# Allegro board A733_PRO3_AXP318_LPDDR5_FBGA315BALL_32X1_V2_0.brd (continued)
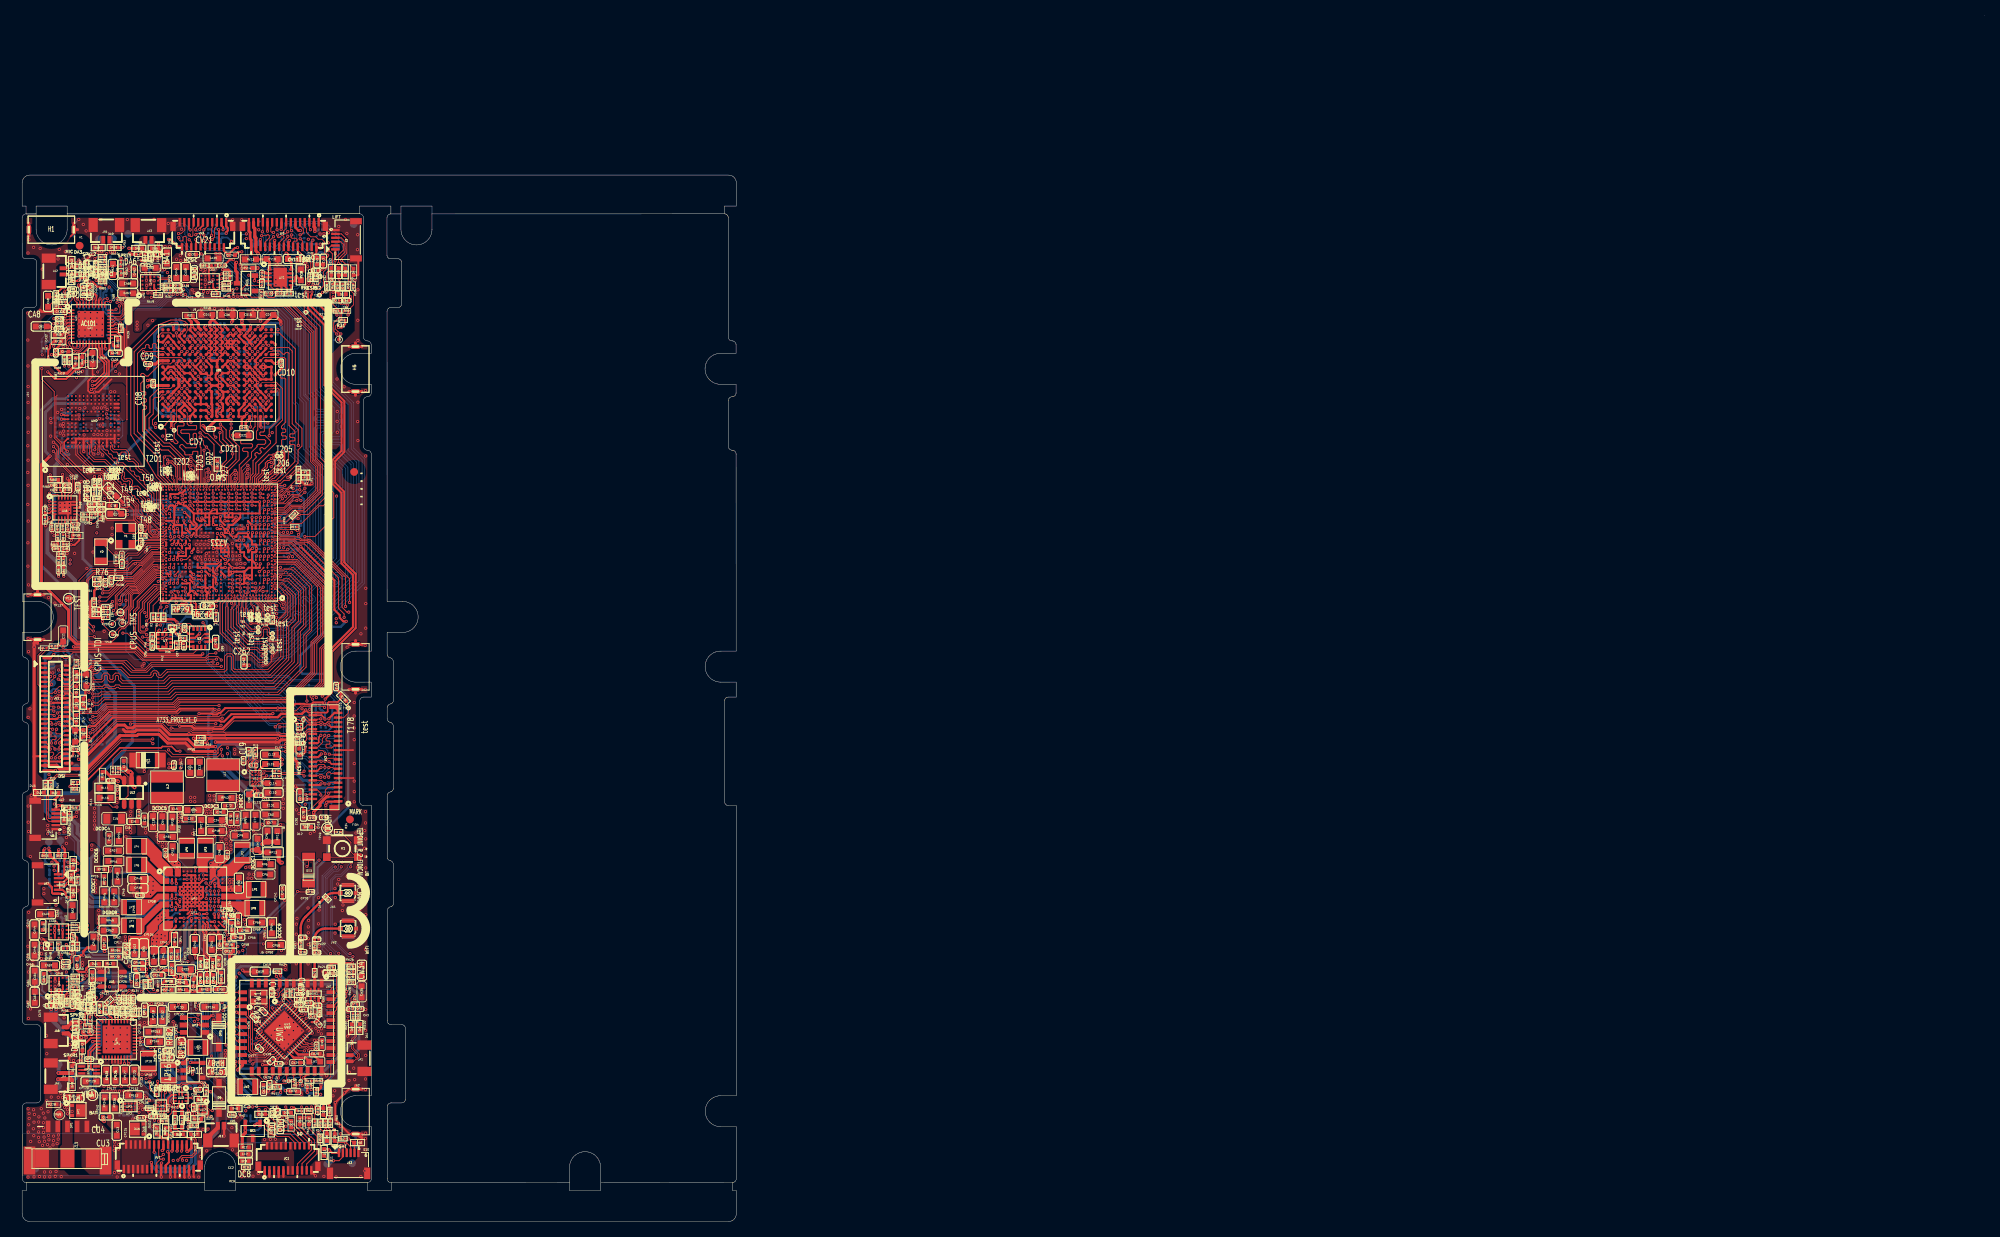
[diagram p0: board, top side]
## Routing (per net, layer and track width the routed paths; a pad name or vN(x,y) marks a point on that pad's centre or on a via; arc(x,y) is an arc through that point) (continued)
ALDO5: length 141.2
  TOP w0.203: v1(12.12,115.82) 12,115.82 11.76,115.58 UA1.25 ; UA1.33 9.86,118.73 9.88,118.74 9.88,118.87 v1(10.04,119.04)
  TOP w0.254: RA59.1 7.37,87.91 6.78,87.31 v1(6.32,87.31) ; v1(19.8,40.53) 19.82,40.51 UP1.L3 ; v1(4.85,109.45) 4.85,109.65 3.36,111.13 3.36,112.45 3.6,112.69 3.6,113.11 4.05,113.56 RA16.1 ; v1(8.96,121.18) 9.13,121.18 9.7,120.61 10.04,120.61 10.21,120.45 v1(10.21,120.44)
  TOP w0.381: RA10.2 6.93,110.56 5.82,109.45 v1(4.85,109.45) ; v1(10.64,34.83) 10.58,34.89 CP17.2
  L3 w0.381: v1(2.5,35.3) 2.03,35.3 1.47,35.86 1.47,39.92 1.78,40.23 1.78,73.25 5.03,76.5 5.03,81.14 3.57,82.6 3.57,85.45 5.43,87.31 v1(6.32,87.31) 6.38,87.37 6.5,87.37 6.52,87.4 6.55,87.4 6.83,87.68 6.83,89.18 5.98,90.02 5.09,90.02 3.71,91.4 3.02,91.4 2.61,91.81 2.61,106.8 4.85,109.03 v1(4.85,109.45)
  L4 w0.254: v1(4.85,109.45) 4.85,114.5 4.88,114.54 4.88,116.83 4.49,117.22 4.49,120.14 5.25,120.9 6.27,120.9 6.78,120.39 8.17,120.39 v1(8.96,121.18)
  BOTTOM w0.254: v1(12.12,115.82) 10.41,117.54 10.41,117.93 10.02,118.32 CA18.2 9.87,118.86 v1(10.04,119.04) 10.04,119.23 10.1,119.29 10.1,120.26 10.21,120.36 v1(10.21,120.44) 10.24,120.48 10.24,120.82 RA14.1 ; v1(19.8,40.53) 19.37,40.1 18.91,40.1 18.76,40.25 17.69,40.25 15.24,37.8 15.24,35.64 14.43,34.83 v1(10.64,34.83) ; v1(8.96,121.18) 8.95,121.18 RA17.2
  BOTTOM w0.305: v1(2.5,35.3) 2.53,35.27 8.88,35.27 9.33,34.83 v1(10.64,34.83)
ALS-INT: length 46.7
  TOP w0.102: v1(19.53,84.34) 19.62,84.44 U1.1H25 ; v1(38.5,64.85) 38.48,64.83 38.12,64.83 38.01,64.72 JV2.36 37.02,64.72 36.63,65.1 33.64,65.1 33.12,64.58 27.29,64.58 25.97,63.26 24.57,63.26 24.52,63.31 22.03,63.31 21.79,63.55 19.58,63.55 19.47,63.66 v1(19.21,63.66)
  L4 w0.102: v1(19.21,63.66) 18.99,63.88 18.99,65.78 19.58,66.37 19.58,76.1 16.2,79.48 16.2,82 18.21,84.01 19.2,84.01 v1(19.53,84.34)
  BOTTOM w0.102: RV12.1 37.88,65.48 RV21.1 38.53,64.88 v1(38.5,64.85)
ANT0: length 2
  TOP w0.305: UW1.5 UW2.2 RW21.1
ANT1: length 4.7
  TOP w0.305: RW18.1 CW16.2 UW2.4
AP-CK32K-OUT: length 111
  TOP w0.076: U1.U36 17.58,86.8 17.48,86.7
  TOP w0.102: v1(9.3,75.45) 8.64,75.45 7.32,76.77 7.32,82.72 8.83,84.23 13.18,84.23 14.24,85.29 15.25,85.29 16.66,86.7 17.48,86.7 ; v1(32.35,16.62) 32.6,16.87 RW37.1 32.59,17.38 RW34.1
  L4 w0.102: v1(9.3,75.45) 9.3,75.01 11.24,73.08 11.24,59.89 8.91,57.57 8.91,51.01 7.38,49.49 7.38,47.42 6.54,46.57 6.54,42.57 6.66,42.44 6.66,35.81 6.83,35.64 6.83,34.16 6.66,34 6.66,27.54 8.07,26.13 9.2,26.13 9.83,25.49 9.83,20.7 10.74,19.79 14.11,19.79 14.75,20.43 18.22,20.43 19.9,22.11 24.01,22.11 24.67,22.78 v1(26.29,22.78)
  BOTTOM w0.102: v1(26.29,22.78) 26.29,22.61 26.68,22.22 26.68,19.72 29.89,16.51 32.24,16.51 v1(32.35,16.62)
AP-NMI: length 102.2
  TOP w0.102: v1(25.35,42.66) 25.32,42.63 UP1.G14
  TOP w0.114: v1(19,86.32) 19.12,86.44 U1.1M26 ; RP5.2 9.11,28.1 RP3.2 9.29,28.42 9.72,28.42 10.27,28.97 v1(10.27,29.09)
  L3 w0.102: v1(22.33,28.21) 22.16,28.03 v1(20.14,28.03)
  L4 w0.102: v1(10.27,29.09) 10.27,29.08 10.3,29.05 10.3,28.98 11.78,27.49 19.13,27.49 19.67,28.03 v1(20.14,28.03)
  L4 w0.114: v1(22.33,28.21) 23.39,29.26 23.39,29.92 24.65,31.18 25.51,31.18 29.22,34.89 29.22,37.83 29.42,38.03 29.42,39.18 25.93,42.66 v1(25.35,42.66) ; v1(19,86.32) 18.42,86.32 13.49,81.39 12.34,81.39 11.23,80.28 11.23,78.33 11.58,77.98 11.58,75.86 12.9,74.54 12.9,58.86 11.11,57.07 11.11,49.83 9.61,48.33 9.61,46.61 9.04,46.04 9.04,41.46 9.79,40.71 10.08,40.71 10.26,40.53 10.26,36.26 9.92,35.92 9.92,33.92 10.9,32.94 10.9,32.44 9.98,31.53 9.98,29.39 v1(10.27,29.09)
  BOTTOM w0.102: C48.1 19.01,86.31 v1(19,86.32)
AP-RESET: length 246.4
  TOP w0.102: v1(23.73,41.68) 23.73,42.08 UP1.G11 ; R52.1 41.1,11.3 v1(41.08,11.31) ; v1(11.24,81.98) 11.5,82.24 C37.1
  TOP w0.114: v1(2.54,110.05) 2.54,110.04 2.54,108.66 4.14,107.07 4.14,101.1 4.92,100.31 4.92,99.15 8.41,95.66 v1(8.41,95.6) ; RP243.2 8.73,26.51 v1(8.93,26.72) ; v1(42.91,121.39) 42.99,121.3 42.99,120.71 42.72,120.43 R28.1 ; U1.1M24 20.21,86.85 20.71,86.34 20.71,86.33 v1(20.73,86.32) ; v1(9.55,28.88) 9.53,28.9 9.53,29.04 9.3,29.27 RP8.2
  L3 w0.114: v1(20.11,26.93) 20.58,27.4 v1(22.45,27.4) ; v1(2.54,110.05) 2.21,110.05 1.61,110.66 1.61,115.96 4.14,118.49 4.14,124.23 8.77,128.87 17.54,128.87 17.87,129.19 26.68,129.19 27.01,128.86 29.55,128.86 29.89,129.19 40.8,129.19 42.74,127.25 42.74,121.55 v1(42.91,121.39)
  L4 w0.102: v1(20.73,86.32) 20.22,86.83 17.47,86.83 12.73,82.09 11.36,82.09 v1(11.24,81.98)
  L4 w0.114: v1(22.45,27.4) 22.15,27.4 21.72,27.84 21.72,28.69 22.59,29.57 22.59,30.15 24.14,31.7 25.27,31.7 26.23,32.65 26.23,34.8 28.47,37.05 28.47,38.03 v1(28.79,38.35) ; v1(8.41,95.6) 9.33,94.68 9.33,89.86 8.76,89.29 8.76,77.9 9.27,77.39 9.43,77.39 10.04,76.77 10.89,76.77 10.97,76.86 ; 10.97,76.86 10.97,77.75 10.5,78.22 10.5,79.46 10.68,79.64 10.68,80.47 11.24,81.03 v1(11.24,81.98) ; 10.97,76.86 10.97,75.63 12.38,74.22 12.38,59.09 10.56,57.28 10.56,50.15 9.48,49.07 8.89,49.07 8.59,48.78 8.59,46.42 8.46,46.29 8.46,39.57 9.17,38.87 9.17,36.55 9.38,36.34 9.38,29.09 9.55,28.93 v1(9.55,28.88) 9.53,28.87 9.53,28.55 11.11,26.98 20.07,26.98 v1(20.11,26.93)
  BOTTOM w0.102: v1(23.73,41.68) 23.82,41.58 23.83,41.58 24.16,41.25 25.87,41.25 26.83,40.29 26.83,39.78 28.03,38.58 28.56,38.58 v1(28.79,38.35)
  BOTTOM w0.114: v1(9.55,28.88) 9.53,28.87 9.53,27.31 v1(8.93,26.72) ; v1(41.08,11.31) 38.98,11.31 37.84,10.17 28.24,10.17 26.3,12.11 26.3,16.14 23.43,19 23.43,23.4 20.11,26.72 v1(20.11,26.93)
AP-UFS-CLKOUT: length 17.2
  TOP w0.114: v1(7.88,97.45) 7.88,97.42 8.62,96.68 10.23,96.68 10.9,96.01 10.9,95.92 14.57,92.25 14.57,90.68 15.02,90.24 16.05,90.24 16.31,89.98 16.31,88.96 16.85,88.41 17.44,88.41 17.82,88.8 U1.AB37
  BOTTOM w0.114: RM36.1 7.88,97.86 v1(7.88,97.45)
AP-WAKE-BT: length 100.1
  TOP w0.076: 15.36,84.32 15.52,84.48 15.54,84.48 16.83,85.76 18.34,85.76 U1.R36
  TOP w0.114: UW2.6 34.11,30.39 33.16,29.44 33.16,29.1 32.98,28.92 32.57,28.92 32.42,28.77 32.42,28.26 32.73,27.95 v1(33.31,27.95) 33.31,27.58 UW3.1 ; 15.36,84.32 14.24,83.19 12.84,83.19 RW38.2 12.67,82.88 11.17,81.38 10.57,81.38 v1(10.36,81.6)
  L3 w0.114: v1(10.36,81.6) 10.23,81.6 8.61,79.98 8.61,74.37 9.48,73.49 9.48,61.22 8.67,60.41 8.67,54.2 8.33,53.86 8.33,47.74 9.83,46.25 9.83,42.26 8.81,41.24 8.81,35.56 12.19,32.18 12.19,30.67 11.32,29.8 11.32,27.68 11.71,27.29 14.87,27.29 16.07,28.48 18.24,28.48 18.6,28.84 23.37,28.84 24.59,27.62 26.58,27.62 27.22,28.26 27.68,28.26 29.91,30.48 31.84,30.48 32.29,30.02 32.29,28.54 32.72,28.11 33.15,28.11 v1(33.31,27.95)
AVCC/VRA1: length 3.5
  TOP w0.203: UA1.8 6.04,114.78 5.89,114.64 5.84,114.64 5.53,114.32 5.53,114.08 5.41,113.96 5.35,113.96 5.07,113.68 RA16.2
  TOP w0.305: RA16.2 4.84,113.32 4.84,113.04 4.34,112.55 CA14.1
BACKUP: length 1.1
  TOP w0.102: T55.1 26.88,40.3 25.95,40.3 UP1.L15
BLDO1: length 113.6
  TOP w0.229: U1.1H11 26.62,84.82 v1(27.12,84.32) 27.15,84.35 U1.1G9 28.08,84.35 v1(28.1,84.38)
  TOP w0.254: v1(26.31,127.51) 26.31,127.65 26.51,127.85 26.51,128.21 26.31,128.41 JV3.1 ; JV2.1 40.68,54.17 39.35,54.17 39.27,54.09 v1(39.26,54.09) ; U1.1G7 28.13,84.35 v1(28.1,84.38) ; v1(36.95,121.06) 37.15,121.25 RV3.1 37.83,121.58 RV2.1
  TOP w0.381: RP22.1 19.12,32.41 18.32,32.41 17.94,32.02 CP24.2 ; v1(24.91,61.86) 32.68,61.86 32.68,61.85 33.1,61.85 33.39,62.14 34.2,62.14 34.5,61.84 34.5,60.23 35.45,59.28 v1(35.45,58.53)
  TOP w0.508: v1(19.81,31.56) 19.78,31.56 19.3,32.04 RP22.1
  L3 w0.254: v1(36.95,121.06) 36.95,122.36 37.41,122.82 37.41,123.79 37.03,124.17 37.03,126.6 v1(36.89,126.73) 36.58,126.73 35.98,126.13 29.64,126.13 29.4,126.38 28.33,126.38 27.24,127.47 26.35,127.47 v1(26.31,127.51)
  L3 w0.381: v1(39.14,53.7) 39.14,53.72 39.12,53.74 39.12,53.93 39.26,54.08 v1(39.26,54.09)
  L3 w0.508: v1(19.81,31.56) 20.68,30.68 22.77,30.68 23.08,30.37 23.95,30.37 24.57,29.75 26,29.75 26.86,30.61 28.16,30.61 32.76,35.21 32.76,36.96 33.25,37.44 33.25,39.94 34.83,41.52 34.83,45.51 39.14,49.82 v1(39.14,53.7)
  L4 w0.381: v1(28.1,84.38) 28.05,84.32 v1(27.12,84.32) 27.09,84.32 26.65,83.89 26.65,80.92 26.03,80.3 26.03,75.16 24.23,73.35 24.23,72.68 24.11,72.57 24.11,63.99 24.91,63.2 v1(24.91,61.86)
  BOTTOM w0.254: C19.1 28.14,84.34 v1(28.1,84.38) 28.05,84.33 C14.1 27.12,84.33 v1(27.12,84.32) 27.11,84.34 C18.1 ; RV23.1 24.36,128.01 24.87,127.5 25.09,127.5 RV22.1 CV25.1 26.25,127.45 v1(26.31,127.51)
  BOTTOM w0.381: RV25.1 40.05,55.94 38.35,55.94 38.3,55.98 RV24.1 37.71,55.98 36.77,56.92 36.21,56.92 35.45,57.68 v1(35.45,58.53)
  vias: v1(38.41,127.41) v1(38.92,127.47)
BLDO2: length 137.2
  TOP w0.254: U1.1N6 29.12,86.93 v1(29.09,86.89) ; v1(32.32,65.54) 32.24,65.45 26.98,65.45 26.03,64.5 25.6,64.5 25.45,64.65 22.26,64.65 22.17,64.75 19.95,64.75 19.72,64.51 19.02,64.51 18.51,65.02 11.68,65.02 8.71,62.05 8.53,62.05 v1(8.47,61.99) ; RL27.2 4.68,74.23 C11.1 5.29,74.12 v1(5.28,74.1) ; v1(29.09,86.89) 29.08,86.89 U1.1N7 ; v1(29.09,86.89) 29.12,86.86 U1.1L6 29.63,86.85 v1(29.69,86.85) ; JL1.18 4.02,66.93 4.01,66.92 v1(3.73,66.92) 3.71,66.93 3.51,66.93 3.21,67.23 JL1.17
  TOP w0.305: CP25.2 14.77,31.76 v1(15,31.99) 14.59,32.4 RP23.1 ; v1(8.58,69.3) 8.43,69.15 CL18.2 8.28,68.58 8.15,68.45 8.15,67.77 7.91,67.53 DL2.2
  L3 w0.254: v1(29.69,86.85) 29.69,86.91 30.03,87.25 32.14,87.25 34.74,84.64 34.74,77.44 33.65,76.35 33.65,71.45 32.49,70.29 32.49,65.71 v1(32.32,65.54) ; v1(8.58,69.3) 8.58,68.85 8.12,68.39 8.12,62.33 v1(8.47,61.99)
  L4 w0.305: v1(5.28,74.1) 4.67,73.49 4.67,72.2 5.34,71.53 5.34,69.91 4.77,69.34 v1(4.77,68.4)
  L4 w0.381: v1(8.47,61.99) 7.99,61.99 5,59 5,55.8 5.95,54.85 5.95,54.23 4.19,52.48 4.19,47.82 3.09,46.72 3.09,44.02 4.55,42.56 4.55,41.93 5.7,40.79 5.7,37.3 5.2,36.8 5.2,35.01 5.53,34.68 5.53,32.36 v1(5.7,32.19)
  BOTTOM w0.254: v1(5.28,74.1) 5.48,73.9 5.58,73.9 5.83,73.64 RL24.2 6.2,73.15 RL26.2 6.45,72.82 6.81,72.46 RL25.2 ; C13.1 29.38,87.18 v1(29.09,86.89) ; v1(29.69,86.85) 29.79,86.95 29.79,87.01 29.99,87.21 C12.1 30.63,87.29 C132.1 ; CL17.1 3.42,66.61 v1(3.73,66.92) 3.65,66.99 3.64,66.99 3.39,67.24 3.39,68.07 3.6,68.29 RL34.1 3.77,68.46 4.02,68.71 4.46,68.71 v1(4.77,68.4) 4.79,68.39 RL36.2 5.73,68.39 6.48,69.13 6.48,69.38 6.81,69.71 7.17,69.71 7.19,69.69 8.19,69.69 v1(8.58,69.3) 8.45,69.18 RL37.2
  BOTTOM w0.305: RL35.1 3.78,66.86 v1(3.73,66.92)
  BOTTOM w0.381: v1(5.7,32.19) 5.7,31.42 6.29,30.83 8.26,30.83 9.5,32.06 14.93,32.06 v1(15,31.99)
BLDO4: length 150.4
  TOP w0.254: RA9.1 7.74,110.39 7.3,109.94 6.93,109.94 6.01,109.03 5.99,109.03 5.67,108.71 4.2,108.71 v1(3.3,109.62) ; v1(22.82,39.11) 22.76,39.17 UP1.N8 ; RA18.1 7.57,120.53 v1(7.27,120.83) ; RA60.1 3.8,95.89 3.62,96.08 v1(3.62,96.34)
  TOP w0.305: v1(11.71,113.41) 11.71,113.05 11.85,112.91 RA15.1 ; CP28.2 25.38,33.98 v1(25,34.35)
  TOP w0.381: v1(8.32,110.97) 8.05,110.97 RA9.1
  L3 w0.381: v1(8.32,110.97) 7.59,110.97 6.03,109.41 6.03,100.32 3.68,97.97 3.68,96.44 3.62,96.37 v1(3.62,96.34) 4.08,96.34 6.95,93.47 6.95,91.28 7.31,90.92 7.31,87.45 6.56,86.7 5.6,86.7 5.29,86.4 4.2,85.31 4.2,82.66 5.51,81.35 5.51,76.29 2.27,73.05 2.27,39.9 1.95,39.58 1.95,36.27 2.31,35.91 v1(2.5,35.91)
  L4 w0.254: v1(7.27,120.83) 7.09,120.83 6.66,121.26 5.1,121.26 4.13,120.29 4.13,117.07 4.53,116.67 4.53,114.69 4.48,114.64 4.48,110.8 v1(3.3,109.62)
  BOTTOM w0.305: v1(25,34.35) 24.98,34.37 23.93,34.37 22.92,35.38 22.92,35.58 22.49,35.58 20.64,33.74 18.23,33.74 16.67,32.18 16.67,32.05 16.17,31.55 15.24,31.55 15.23,31.54 14.6,31.54 14.52,31.62 9.68,31.62 8.44,30.38 6.15,30.38 4.49,28.72 2.92,28.72 2.04,29.6 2.04,35.49 2.33,35.79 2.37,35.79 v1(2.5,35.91)
  BOTTOM w0.381: v1(11.71,113.41) 11.71,113.4 11.71,112.77 9.91,110.97 v1(8.32,110.97) ; 22.92,35.58 22.92,39.01 v1(22.82,39.11)
BLDO5: length 156.3
  TOP w0.178: CW27.2 30.82,22.17 v1(31.2,22.55) 31.26,22.62 31.26,22.78 UW3.16
  TOP w0.254: RW28.2 RW27.2 RW26.2 42.69,33.24 v1(42.57,33.36) ; v1(29.69,88.87) 29.62,88.8 U1.1R5 ; v1(41.78,77.43) 41.41,77.43 40.94,77.9 40.94,78.24 40.26,78.93 40.26,82.74 v1(35.92,87.07)
  TOP w0.305: v1(33.93,16.88) 34.47,16.88 CW22.2 ; RW25.2 36.77,17.3 36.75,17.28 v1(36.75,16.65) ; v1(42.57,33.36) 42.52,33.32 39.89,33.32 39.61,33.05 RW29.2 ; v1(33.31,31.69) 33.31,31.84 33.18,31.97 RW24.2
  TOP w0.381: UW2.22 28.42,20.18 v1(27.79,19.56)
  L3 w0.305: v1(42.92,30.35) 42.55,30.73 42.55,33.35 v1(42.57,33.36)
  L3 w0.406: v1(22.5,32.25) 23.46,31.28 26.24,31.28 26.48,31.52 27.58,31.52 v1(27.6,31.55)
  L4 w0.254: v1(29.69,88.87) 29.69,88.89 30.27,89.47 32.56,89.47 33.59,88.44 34.46,88.44 35.83,87.07 v1(35.92,87.07)
  BOTTOM w0.254: v1(29.69,88.87) 29.63,88.81 C15.1 29.96,88.39 29.96,88.39 C260.1 ; RW12.2 33.75,87.44 RW10.2 34.22,88.05 RW11.2 RW13.2 35.24,87.82 35.5,87.55 35.5,87.49 v1(35.92,87.07) 35.48,86.63 RW14.2 35.33,86.73 34.92,86.73 34.41,86.22 34.09,86.22 ; v1(27.6,31.55) 27.54,31.48 RW15.2
  BOTTOM w0.305: v1(27.79,19.56) 27.96,19.72 29.89,19.72 30.24,20.07 30.24,21.59 v1(31.2,22.55) ; v1(42.57,33.36) 42.5,33.3 38.26,33.3 37.57,33.98 37.57,41.84 38.09,42.36 38.09,45.68 39.35,46.95 39.35,50.73 42.02,53.4 42.02,67.69 39.06,70.65 36.16,70.65 35.89,70.93 35.89,73.04 39.58,76.73 41.07,76.73 v1(41.78,77.43)
  BOTTOM w0.381: 33.34,31.69 v1(33.31,31.69) ; 33.34,31.69 33.92,31.11 42.17,31.11 v1(42.92,30.35) 43.23,30.35 43.85,29.73 43.85,27.92 43.42,27.48 43.42,22.24 39.02,17.84 39.02,17.43 38.73,17.14 38.32,17.14 37.71,16.53 36.86,16.53 v1(36.75,16.65) 36.33,17.07 34.17,17.07 33.98,16.88 v1(33.93,16.88) 33.41,17.39 29.96,17.39 v1(27.79,19.56) ; 33.34,31.69 33.34,31.76 32.92,32.18 30.19,32.18 29.45,32.93 28.17,32.93 27.49,32.25 27.49,31.66 v1(27.6,31.55)
BLDO-INPUT: length 1.6
  TOP w0.305: RP28.2 18.3,30.97 18.04,30.71 v1(18.04,30.47)
  TOP w0.381: CP22.2 21.76,32.18 21.61,32.03 21.61,31.84 v1(21.56,31.8)
  vias: v1(13.88,32.93)
BOARD-ID-SEL-ADC: length 6.4
  TOP w0.102: R8.2 16.89,79.48 v1(17.74,80.34)
  TOP w0.114: v1(19,82.35) 19,82.37 19.12,82.49 U1.1D26
  L4 w0.102: v1(19,82.35) 17.74,81.09 v1(17.74,80.34)
  BOTTOM w0.102: R10.1 18.62,81.97 v1(19,82.35)
BOARD-ID-SEL-GPIO: length 4.4
  TOP w0.102: R3.2 36.27,96.01 R4.2 34.7,95.08 34.68,95.08 34.2,94.6 33.68,94.6 33.63,94.64 32.82,94.64 U1.AT1
BOOST-5V-EN: length 75.2
  TOP w0.114: v1(19,84.35) 19,84.37 19.12,84.49 U1.1H26
  L4 w0.102: v1(19,84.35) 18.14,84.35 14.31,80.52 13.29,80.52 13.05,80.27 13.05,79.96 14.9,78.1 14.9,77.82 14.98,77.75 14.98,65.18 15.27,64.89 15.27,63.53 14.73,62.99 14.73,60.66 15.1,60.3 15.1,57.45 14.54,56.9 14.18,56.9 13.65,56.37 13.65,53.01 12.98,52.35 12.98,49.08 12.34,48.44 12.34,40.75 11.92,40.33 11.92,37.57 12.42,37.07 12.42,30.33 12.81,29.94 12.81,29.76 12.66,29.61 12.66,29.32 12.85,29.13 12.85,28.93 13,28.78 20.43,28.78 20.76,28.44 20.76,27.07 21.68,26.15 22.09,26.15 22.22,26.02 v1(22.22,25.82)
  BOTTOM w0.114: v1(22.22,25.82) 22.01,25.82 21.77,26.06 RP258.2
BOOT-SEL-ADC: length 6.4
  TOP w0.102: v1(18.66,79.35) 18.23,78.92 R5.2 ; v1(20.02,82.37) 20.12,82.48 U1.1D24
  L4 w0.102: v1(18.66,79.35) 18.45,79.55 18.45,81.05 19.42,82.02 19.65,82.02 19.99,82.37 v1(20.02,82.37)
  BOTTOM w0.102: v1(18.66,79.35) 18.63,79.32 R9.1
BT-PCM-CLK: length 93.2
  TOP w0.076: 33.13,87.8 32.94,88 U1.Y2
  TOP w0.102: 35.11,87.64 34.95,87.8 33.13,87.8 ; UW3.30 36.01,22.61 36.65,22.61 36.89,22.38 37.07,22.38 37.09,22.36 37.26,22.36 v1(37.41,22.21)
  TOP w0.114: v1(32.1,18.47) 32.31,18.67 UW2.26 ; v1(41.51,77.94) 41.51,78.39 40.78,79.12 40.78,83.05 36.41,87.41 35.34,87.41 35.11,87.64
  L3 w0.114: v1(41.51,77.94) 41.4,77.82 41.4,76.96 38.32,73.88 38.32,69.85 40.72,67.45 40.72,67.37 40.75,67.34 40.75,49.41 40.72,49.38 40.72,49.3 38.95,47.53 38.95,46.32 38.04,45.41 38.04,42.85 34.97,39.78 34.97,27.86 31.31,24.2 31.31,23.85 32.31,22.86 32.31,20.8 32.05,20.55 32.05,18.52 v1(32.1,18.47)
  BOTTOM w0.114: v1(37.41,22.21) 37.41,21.06 35.36,19.01 34.07,19.01 33.19,18.13 32.9,18.13 32.52,18.5 32.14,18.5 v1(32.1,18.47)
BT-PCM-DIN: length 92.9
  TOP w0.102: U1.AB1 32.91,88.8 33.37,88.34 35.47,88.34 35.49,88.31 35.7,88.31 35.86,88.15 ; v1(36.93,22.02) 36.55,22.39 35.73,22.39 UW3.29
  TOP w0.114: v1(33.04,18.52) 33.04,18.66 33.21,18.82 UW2.27 ; v1(42.22,79.88) 42.22,82.93 37.18,87.96 36.95,87.96 36.88,88.04 35.98,88.04 35.86,88.15
  L3 w0.114: v1(39.77,34.56) 39.42,34.2 39.42,22.99 35.35,18.92 33.93,18.92 33.52,18.52 v1(33.04,18.52) ; v1(40.37,45.73) 40.16,45.94 40.16,48.15 41.14,49.12 41.14,67.63 38.74,70.02 38.74,73.71 42.15,77.12 42.15,77.96 41.75,78.36 41.75,78.83 42.21,79.3 42.21,79.87 v1(42.22,79.88)
  BOTTOM w0.114: v1(39.77,34.56) 38.88,35.45 38.88,44.48 40.13,45.73 v1(40.37,45.73) ; v1(33.04,18.52) 33.04,18.66 33.84,19.46 34.36,19.46 v1(36.93,22.02)
BT-PCM-DOUT: length 92.3
  TOP w0.102: 35.75,87.97 35.34,87.97 35.15,88.16 33.29,88.16 33.05,88.4 U1.AA1 ; v1(31.41,18.45) 31.41,18.46 UW2.25 ; UW3.28 35.61,22.02 v1(36.4,22.02)
  TOP w0.114: 35.75,87.97 35.87,87.85 36.79,87.85 36.86,87.77 37,87.77 37.03,87.74 37.09,87.74 41.69,83.15 v1(41.69,79.36)
  L3 w0.114: v1(41.69,79.36) 40.98,78.65 40.98,77.13 37.9,74.05 37.9,69.67 40.38,67.19 40.38,49.56 37.6,46.77 37.6,43 34.5,39.91 34.5,28.05 30.86,24.41 30.86,23.71 31.89,22.68 31.89,20.98 31.63,20.72 31.63,18.67 v1(31.41,18.45)
  BOTTOM w0.114: v1(31.41,18.45) 31.41,19.1 32.14,19.82 34.21,19.82 v1(36.4,22.02)
BT-PCM-SYNC: length 94.9
  TOP w0.076: U1.AA2 32.41,88.16 33.03,88.16
  TOP w0.102: 35.82,87.64 35.41,87.64 35.07,87.98 33.21,87.98 33.03,88.16
  TOP w0.114: v1(42.11,78.62) 41.87,78.62 41.25,79.25 41.25,83.27 36.97,87.55 36.94,87.55 36.92,87.58 36.78,87.58 36.71,87.64 35.82,87.64 ; UW2.28 34.11,18.34 33.92,18.15 v1(33.73,18.15) ; v1(37.38,22.92) 36.95,22.92 36.83,23.04 36.56,23.04 36.17,23.43 UW3.32
  L3 w0.114: v1(39.8,34) 39.69,33.89 39.69,22.88 35.42,18.61 34.18,18.61 v1(33.73,18.15) ; v1(42.11,78.62) 42.56,78.18 42.56,77.21 38.95,73.6 38.95,70.11 41.35,67.72 41.35,49.03 40.52,48.2 v1(40.52,46.39)
  BOTTOM w0.114: v1(40.52,46.39) 40.47,46.39 38.67,44.59 38.67,35.13 v1(39.8,34) ; v1(33.73,18.15) 33.92,18.15 34.36,18.59 35.72,18.59 37.93,20.81 37.93,22.37 v1(37.38,22.92)
BT-RESETN: length 121.4
  TOP w0.076: U1.P36 16.93,85.6 15.46,84.13
  TOP w0.102: RW62.2 37.28,18.15 RW4.2 RW25.1 37.27,17.08 37.27,17.08 v1(37.27,17.03)
  TOP w0.114: 15.46,84.13 14.31,82.98 13.15,82.98 11.26,81.09 v1(10.36,81.09) ; v1(33.55,29.25) 34,29.7 RW61.1 RW60.1
  L3 w0.114: v1(26.94,28.76) 26.02,27.84 24.67,27.84 23.46,29.05 18.51,29.05 18.15,28.69 15.98,28.69 15.13,27.84 15.08,27.84 14.73,27.5 11.8,27.5 11.53,27.76 11.53,29.59 12.5,30.55 12.5,32.28 9.03,35.74 9.03,41.14 10.2,42.31 10.2,46.22 8.55,47.87 8.55,53.77 8.89,54.12 8.89,60.32 9.7,61.12 9.7,73.62 8.82,74.49 8.82,79.89 10.02,81.09 v1(10.36,81.09)
  BOTTOM w0.114: v1(37.27,17.03) 37.27,18.25 42.53,23.51 42.53,28.19 42.25,28.47 42.25,29.78 41.82,30.21 40.5,30.21 40.25,29.96 37.38,29.96 36.9,29.48 33.78,29.48 v1(33.55,29.25) 33.55,29.99 32.89,30.64 28.26,30.64 26.94,29.32 v1(26.94,28.76)
BT-UART-CTS: length 86.6
  TOP w0.102: U1.V1 32.81,87.44 34.67,87.44 35.35,86.76
  TOP w0.114: UW3.12 30.7,24.18 30.93,24.42 30.93,24.7 30.71,24.92 30.64,24.92 v1(30.17,25.39) ; v1(37.5,67.89) 37.5,68.09 38.82,69.42 38.82,73.79 39.56,74.52 39.56,82.55 35.35,86.76 ; UW2.44 39.8,29.96 40.11,30.27 CW33.2 40.11,32.01 RW29.1 40.55,32.33 40.55,29.87 v1(40.74,29.69)
  L4 w0.114: v1(37.5,67.89) 37.43,67.89 37.07,67.54 37.07,67.31 37.08,67.3 37.08,67.2 37.65,66.62 37.65,53.21 38.91,51.95 38.91,33.32 39.91,32.31 39.91,30.52 v1(40.74,29.69)
  BOTTOM w0.114: v1(40.74,29.69) 40.79,29.69 41.12,29.36 41.12,28.98 40.91,28.78 40.36,28.78 39.88,29.26 RW32.2 37.81,29.26 36.97,28.41 34.69,28.41 33.43,27.15 32.51,27.15 30.74,25.39 v1(30.17,25.39)
BT-UART-RTS: length 86.9
  TOP w0.076: U1.W2 32.41,87.84 32.83,87.84 33.05,87.62 33.49,87.62
  TOP w0.102: 35.48,86.91 34.76,87.62 33.49,87.62
  TOP w0.114: v1(30.21,23.66) 30.24,23.62 30.62,23.62 UW3.13 ; 35.48,86.91 35.51,86.91 39.74,82.68 39.75,82.68 39.86,82.56 39.86,74.51 39.04,73.69 39.04,69.33 37.86,68.15 37.86,67.66 v1(37.92,67.6) ; RW28.1 RW31.2 41.83,30.5 41.83,29.7 v1(41.82,29.69) 41.86,29.65 41.86,28.98 40.53,27.66 40.53,27.33 40.08,26.87 UW2.41
  L4 w0.114: v1(41.82,29.69) 41.07,30.44 41.07,32.07 39.34,33.8 39.34,52.24 38.14,53.44 38.14,66.76 37.84,67.06 37.84,67.29 37.94,67.39 37.94,67.58 v1(37.92,67.6)
  BOTTOM w0.114: v1(41.82,29.69) 41.86,29.65 41.86,29.05 41.13,28.32 39.94,28.32 39.34,27.72 34.69,27.72 33.25,26.28 32.49,26.28 30.21,24 v1(30.21,23.66)
BT-UART-RX: length 80
  TOP w0.102: 35.12,86.16 34.92,86.36 32.62,86.36 U1.T1
  TOP w0.114: v1(32.25,27.57) 32.25,27.36 UW3.3 ; UW2.43 40.23,28.67 v1(40.74,29.18) 40.77,29.18 41.16,29.57 41.16,31.89 RW26.1 ; 35.12,86.16 39.12,82.16 39.12,74.71 38.38,73.97 38.38,69.61 36.69,67.92 36.69,67.18 v1(36.72,67.15)
  L4 w0.114: v1(40.74,29.18) 40.6,29.32 40.59,29.32 40.45,29.46 40.43,29.46 39.49,30.41 39.49,32.33 38.69,33.12 38.69,51.05 37.22,52.53 37.22,52.58 37.21,52.59 37.21,52.9 37.44,53.12 37.44,66.43 v1(36.72,67.15)
  BOTTOM w0.114: v1(32.25,27.57) 33.44,27.57 35.11,29.24 37.07,29.24 37.47,29.64 40.27,29.64 40.59,29.33 40.59,29.33 v1(40.74,29.18)
BT-UART-TX: length 84.8
  TOP w0.076: 33.88,87.26 32.98,87.26 32.69,86.96 32.41,86.96 U1.V2
  TOP w0.102: 35.01,86.55 34.3,87.26 33.88,87.26
  TOP w0.114: v1(37.43,67.39) 37.13,67.69 37.13,68.05 38.6,69.51 38.6,73.87 39.34,74.62 39.34,82.25 35.04,86.55 35.01,86.55 ; v1(30.07,24.79) 30.43,24.43 UW3.11 ; RW27.1 41.42,31.47 41.42,29.35 v1(41.5,29.28) 41.5,29.19 40.08,27.77 UW2.42
  L4 w0.114: v1(37.43,67.39) 37.43,67.16 37.92,66.67 37.92,53.35 39.13,52.14 39.13,33.53 40.64,32.02 40.64,30.3 41.5,29.44 v1(41.5,29.28)
  BOTTOM w0.114: v1(30.07,24.79) 30.59,24.79 32.51,26.71 33.36,26.71 34.64,27.99 39.12,27.99 39.68,28.55 41.05,28.55 41.55,29.04 41.55,29.22 v1(41.5,29.28)
BT-WAKE-AP: length 91
  TOP w0.114: v1(9.93,80.03) 10.83,80.03 13.34,82.54 14.4,82.54 15.71,83.86 15.71,83.88 17.03,85.2 U1.N37 ; v1(32.99,29.86) 33.21,30.08 UW2.7 33.21,31.2 v1(32.77,31.63) 32.68,31.73 RW24.1 ; v1(32.84,28.51) 33.03,28.32 33.58,28.32 33.94,27.95 UW3.48
  L3 w0.114: v1(9.93,80.03) 9.68,79.79 9.68,77.4 10.12,76.97 10.12,60.93 9.34,60.15 9.34,53.97 8.97,53.6 8.97,49.42 10.62,47.77 10.62,42.12 9.45,40.95 9.45,36.29 9.68,36.06 10.51,36.06 13.21,33.35 13.21,30.94 13.92,30.24 14.55,30.24 14.8,29.98 14.8,29.78 15.59,28.99 18.08,28.99 18.21,29.13 18.27,29.13 18.42,29.27 23.72,29.27 24.01,28.98 26.65,28.98 26.79,29.12 27.09,29.12 27.23,28.98 28.01,28.98 29.73,30.71 31.85,30.71 v1(32.77,31.63)
  BOTTOM w0.114: v1(32.84,28.51) 32.84,28.65 33.12,28.94 33.12,29.45 32.99,29.58 v1(32.99,29.86)
CC1: length 32.3
  TOP w0.203: RP259.2 CP138.2 17.11,13.13 17.06,13.08 v1(17.06,13.07) ; v1(11.9,27.91) 12.17,27.64 RP266.1
  TOP w0.254: DU11.2 18.83,11.26 v1(19.09,10.99) ; JU1.19 18.51,7.24 18.92,7.65 18.92,8.84 v1(18.75,9)
  BOTTOM w0.203: v1(11.9,27.91) 11.9,27.24 10.2,25.55 10.2,22.73 9.52,22.05 9.52,16.42 9.68,16.25 15.16,16.25 16.32,15.09 16.32,14.7 16.8,14.22 16.8,13.33 v1(17.06,13.07) 17.06,12.71 18.78,10.99 v1(19.09,10.99)
  BOTTOM w0.254: v1(19.09,10.99) 18.88,10.78 18.88,9.13 v1(18.75,9)
CC1-AXP515: length 1.2
  TOP w0.203: UP4.25 12.38,26.76 RP266.2
CC2: length 30
  TOP w0.203: RP265.1 11.48,27.53 11.48,28.07 11.83,28.42 v1(11.99,28.42)
  TOP w0.254: v1(16.38,14.06) 16.18,14.26 RP261.2 ; JU1.20 18.81,10.5 18.58,10.73 18,10.73 17.84,10.9 v1(17.83,10.9) 17.48,11.24 DU12.2
  BOTTOM w0.203: v1(17.83,10.9) 17.8,10.87 17.62,10.87 16.43,12.07 16.43,12.61 ; 16.43,12.61 CP139.2 16.43,12.64 ; 16.43,12.61 16.43,12.64 ; 16.43,12.64 16.43,13.82 16.38,13.87 v1(16.38,14.06) 16.38,14.07 15.99,14.45 15.99,14.97 15.02,15.95 9.56,15.95 9.21,16.29 9.21,22.2 9.9,22.88 9.9,25.7 11.48,27.28 11.48,28.22 11.68,28.42 v1(11.99,28.42)
CC2-AXP515: length 1.3
  TOP w0.203: RP265.2 11.98,26.53 UP4.26
CC-INT: length 93.5
  TOP w0.076: U1.N36 18.34,85.44 17.64,85.44 17.59,85.38 16.97,85.38 15.53,83.94 15.53,83.93 ; UP5.B2 17.94,14.98 17.74,15.19 17.74,15.6
  TOP w0.102: v1(10.01,80.57) 11.04,80.57 13.23,82.75 14.35,82.75 15.53,83.93 ; 17.74,15.6 17.34,16.01 RP263.2
  TOP w0.114: v1(16.43,18.07) 16.43,17.14 17.12,16.45 RP263.2
  L3 w0.102: v1(11.95,28.94) 11.99,28.94 12.87,29.82 12.87,33.32 10.4,35.79 9.5,35.79 9.24,36.06 9.24,41.04 10.41,42.22 10.41,47.68 9,49.09 9,49.1 8.76,49.33 8.76,53.69 9.1,54.03 9.1,60.22 9.91,61.02 9.91,76.85 9.47,77.29 9.47,80.08 9.94,80.56 10,80.56 v1(10.01,80.57)
  L4 w0.102: v1(16.43,18.07) 16.42,18.08 16.17,18.08 15.87,17.77 14.7,17.77 14.15,18.32 10.54,18.32 7.15,21.72 7.15,24.65 v1(7.59,25.09)
  BOTTOM w0.102: v1(11.95,28.94) 11.77,28.94 11.18,28.35 11.18,27.45 9.63,25.9 9.63,24.32 9.43,24.12 8.56,24.12 v1(7.59,25.09)
CC-SCK: length 3.5
  TOP w0.114: UP5.B3 17.94,15.75 17.95,15.76 17.95,16.75 17.99,16.8 v1(17.99,16.87) 17.97,16.9 RP303.2
  BOTTOM w0.114: RP271.2 17.71,16.59 v1(17.99,16.87) 17.92,16.94 RP301.2
CC-SDA: length 4.7
  TOP w0.114: RP304.2 18.47,16.68 v1(18.47,16.62) 18.34,16.49 UP5.C3
  BOTTOM w0.114: RP272.2 18.31,16.46 v1(18.47,16.62) 18.53,16.68 18.53,17.07 18.05,17.55 RP302.2
CK-SEL0: length 13.2
  TOP w0.102: v1(19.51,85.4) 19.62,85.52 U1.1K25 ; R21.2 11.01,78.62 R22.2 11,78.66 C84.1 11.48,79.27 v1(11.66,79.45)
  L4 w0.102: v1(11.66,79.45) 11.89,79.45 12.19,79.74 12.19,80.28 12.63,80.72 14.26,80.72 18.57,85.04 19.14,85.04 v1(19.51,85.4)
CK-SEL1: length 14
  TOP w0.102: v1(11.65,79.99) 11.61,79.96 11.61,79.94 11.33,79.67 9.31,79.67 R23.2 9.29,78.97 C85.1 9.31,78.95 R24.1 ; v1(19,85.4) 19.12,85.53 U1.1K26
  L4 w0.102: v1(19,85.4) 18.64,85.4 14.16,80.92 13.43,80.92 13.43,80.92 12.54,80.92 11.99,80.37 11.99,80.19 11.79,79.99 v1(11.65,79.99)
CLDO1: length 243.5
  TOP w0.254: v1(17.47,18.08) 17.47,17.67 17.34,17.53 RP263.1 ; U1.1P22 21.12,87.53 v1(20.97,87.37) ; v1(33.32,16.65) 33.32,17.17 RW37.2 ; v1(6.17,56.12) 6.2,56.14 6.2,56.23 6.59,56.62 RP7.1 ; 30.73,103.38 UD1.W1
  TOP w0.305: v1(19.48,115.59) 19.48,115.58 19.48,115.1 UD1.C15 ; 30.73,103.38 30.73,102.57 v1(30.81,102.49) ; v1(19.23,102.43) 19.23,103.03 19.53,103.33 UD1.C1
  TOP w0.381: v1(33.36,115.79) 33.36,116.16 32.54,116.98 CD1.1 31.02,115.61 31.02,115.35 UD1.W15 ; v1(25.19,28.55) 25.61,28.97 25.93,28.97 26.55,29.6 26.55,30.41 26.74,30.6 26.74,34.36 26.89,34.51 26.89,34.57 CP32.2 27.2,34.88 RP36.1
  L3 w0.305: v1(26.15,25.13) 26.15,25.06 23.42,22.34 18.81,22.34 18,23.15 16.98,23.15 15.75,24.38 15.11,24.38 13.87,25.63 10.46,25.63 9.84,26.25 8.35,26.25 7.97,26.63 7.97,28.06 8.17,28.26 8.17,29.15 8.16,29.16 8.16,30.28 9.21,31.32 9.21,33.33 8.64,33.9 7.71,33.9 7.07,34.54 7.07,38.96 7.58,39.47 7.58,41.72 7.65,41.79 7.65,46.64 7.04,47.24 7.04,51.31 6.04,52.31 6.04,53.48 6.2,53.64 6.2,56.09 v1(6.17,56.12) 6.17,56.37 6.82,57.03 6.82,68.85 6.64,69.03 6.64,69.44 6.82,69.63 6.82,72.79 7.26,73.23 7.26,84.96 8.63,86.34 8.63,87.86 v1(9.62,88.85) 10.07,89.3 10.07,92.05 13.44,95.43 13.44,111.76 17.63,115.95 19.11,115.95 v1(19.48,115.59) ; v1(33.32,16.65) 32.41,15.73 29.23,15.73 27.95,14.45 25.74,14.45 23.45,16.74 22.89,16.74 21.93,17.71 17.85,17.71 v1(17.47,18.08)
  L3 w0.508: v1(19.48,115.59) 20.93,117.04 22.9,117.04 22.91,117.04 22.95,117.04 22.97,117.06 27.74,117.06 27.76,117.04 27.8,117.04 27.81,117.04 32.5,117.04 33.36,116.18 v1(33.36,115.79)
  L4 w0.178: 16.07,89.16 17.25,87.98 19.17,87.98 19.17,87.98 20.36,87.98 v1(20.97,87.37)
  L4 w0.381: v1(9.62,88.85) 10.07,88.85 11.46,90.25 15.19,90.25 v1(15.77,89.66) 15.77,89.46 16.07,89.16
  BOTTOM w0.305: v1(33.36,115.79) 33.24,115.92 CD38.1 32.73,115.92 CD40.1 32.09,115.92 CD42.1 ; CD2.1 19.81,116.18 20.02,115.97 20.02,115.78 CD39.1 ; CD39.1 CD41.1 19.88,115.18 v1(19.48,115.59) 19.67,115.78 CD39.1
  BOTTOM w0.381: v1(15.77,89.66) 15.72,89.71 C21.1 ; v1(19.23,102.43) 19.27,102.47 CD37.1 CD4.1 18.2,103.95 17.07,105.08 17.07,114.47 18.19,115.59 v1(19.48,115.59) ; v1(33.32,16.65) 33.32,16.48 32.33,15.49 30.13,15.49 25.71,19.91 25.71,24.69 v1(26.15,25.13) 26.15,25.19 25.71,25.63 25.71,26.33 25.12,26.92 25.12,27.93 25.19,28.01 v1(25.19,28.55) ; v1(33.36,115.79) 33.36,115.53 33.45,115.45 33.45,103.87 32.07,102.49 v1(30.81,102.49) 30.66,102.63 CD3.1 30.66,103.02 CD5.1
